# KiCad board Keyboard.kicad_pcb (continued)
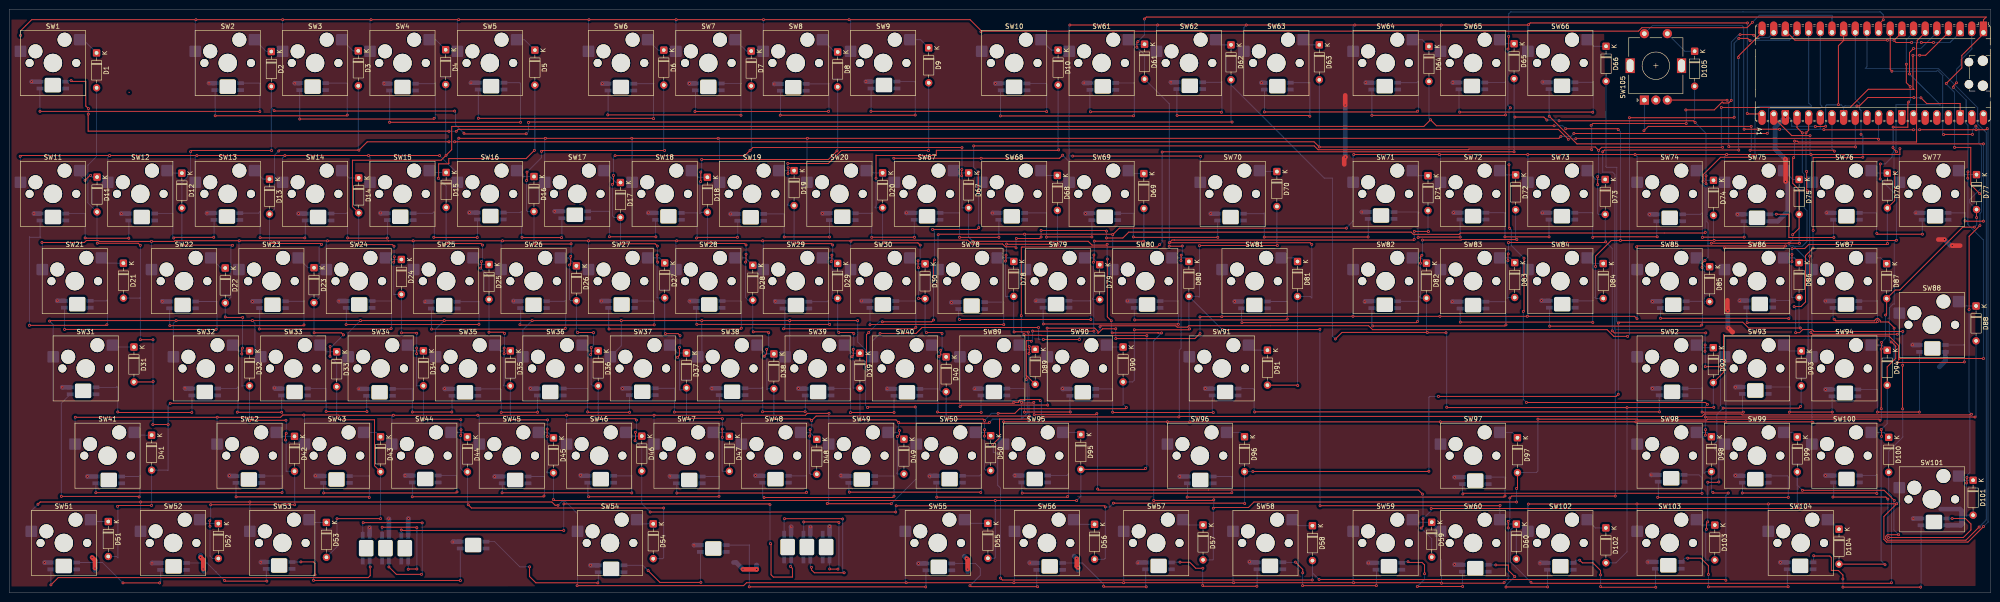
[diagram p0: board, top side]
## Routing (per net, layer and track width the routed paths; a pad name or vN(x,y) marks a point on that pad's centre or on a via; arc(x,y) is an arc through that point) (continued)
ROW7: length 323.3
  Top w0.2: A1.21 378.97,104.55 v1(378.88,104.64) ; v1(192.83,94.86) v1(211.87,94.86) 228.97,94.86 v1(229.65,95.54) ; v1(231.22,123.95) v1(250.35,123.95) v1(269.68,123.95) v1(293.33,123.95) v1(312.18,123.95) 331.12,123.95 v1(331.19,124.02) 331.57,124.4 v1(378.93,124.4) ; v1(231.83,95.34) 259.65,95.34 v1(259.71,95.28)
  Bottom w0.2: v1(231.22,123.95) 231.05,123.79 SW61.1 231.05,95.39 ; v1(231.83,95.34) 231.79,95.39 231.05,95.39 ; v1(331.19,124.02) 331.06,123.89 SW66.1 ; 231.05,95.39 SW69.1 231.05,94.14 v1(229.65,95.54) ; v1(192.83,94.86) 192.95,94.74 SW67.1 ; v1(259.71,95.28) 259.63,95.19 SW70.1 ; SW65.1 312.01,123.79 v1(312.18,123.95) ; 292.96,118.2 292.96,123.58 v1(293.33,123.95) ; v1(378.93,124.4) 378.88,124.35 v1(378.88,104.64) ; SW68.1 212,94.73 v1(211.87,94.86) ; SW63.1 269.15,123.42 v1(269.68,123.95) ; SW62.1 250.1,123.7 v1(250.35,123.95)
ROW8: length 301.8
  Top w0.2: v1(412.16,96.97) 412.16,95.68 v1(392.78,95.68) v1(374.38,95.68) v1(354.42,95.68) v1(331.04,95.68) v1(311.76,95.68) v1(293.1,95.68) ; v1(291.5,79.61) 241.99,79.61 v1(240.57,78.19) 240.46,78.29 v1(221.35,78.29) 202.64,78.29 v1(202.51,78.16) ; 384.65,103.75 388.59,99.81 v1(392.57,99.81)
  Bottom w0.2: SW76.1 392.98,95.48 v1(392.78,95.68) 392.57,95.88 v1(392.57,99.81) ; v1(354.42,95.68) 354.88,95.22 SW74.1 ; SW75.1 373.93,95.22 v1(374.38,95.68) ; SW73.1 331.06,95.65 v1(331.04,95.68) ; v1(202.51,78.16) 202.48,78.13 SW78.1 ; v1(311.76,95.68) 312.01,95.42 SW72.1 ; SW77.1 412.03,96.84 v1(412.16,96.97) ; v1(291.5,79.61) 291.5,79.71 292.96,81.17 292.96,95.54 v1(293.1,95.68) ; v1(221.35,78.29) 221.53,78.11 SW79.1 ; SW80.1 240.58,78.18 v1(240.57,78.19)
ROW9: length 369.2
  Top w0.2: v1(354.77,75.53) 354.96,75.72 v1(387.23,75.72) 386.79,75.29 v1(373.91,75.29) ; v1(226.26,57.78) 236.63,57.78 237.35,57.07 237.35,56.64 238.34,57.64 v1(241.23,57.64) ; v1(354.85,59.83) 354.32,60.37 v1(330.93,60.37) v1(311.89,60.37) v1(292.94,60.37) 264.43,60.37 v1(264.35,60.28) 259.63,60.28 v1(259.58,60.23) ; A1.24 389.73,101.57 v1(390.89,100.41) ; v1(411.6,56.45) 393.16,56.45 v1(392.75,56.86) ; v1(241.23,55.5) 258.48,55.5 v1(259.6,56.62) ; v1(207.29,40.66) 207.62,40.99 v1(226.4,40.99)
  Bottom w0.2: v1(354.85,59.83) 354.88,59.86 SW85.1 354.88,75.42 v1(354.77,75.53) ; 388.91,75.75 388.29,75.75 388.26,75.72 v1(387.23,75.72) ; 388.91,75.75 388.99,75.67 390.88,75.67 391.9,76.69 391.9,83.43 391.33,84 391.33,91.23 391.39,91.29 390.89,91.79 v1(390.89,100.41) ; 388.91,75.75 392.98,71.69 SW87.1 392.98,57.08 v1(392.75,56.86) ; v1(264.35,60.28) 264.39,60.32 SW81.1 ; v1(259.58,60.23) 259.58,56.64 v1(259.6,56.62) ; v1(207.29,40.66) 207.24,40.72 SW89.1 ; SW83.1 312.01,60.49 v1(311.89,60.37) ; SW84.1 331.06,60.5 v1(330.93,60.37) ; v1(411.6,56.45) 412.03,56.88 SW88.1 ; 292.96,70.58 292.96,60.39 v1(292.94,60.37) ; v1(373.91,75.29) 373.93,75.27 SW86.1 ; v1(226.26,57.78) 226.29,57.75 SW90.1 226.29,41.09 v1(226.4,40.99) ; v1(241.23,55.5) v1(241.23,57.64)
ROW10: length 316.4
  Top w0.2: v1(391.98,87.77) 391.83,87.92 v1(391.83,91.99) ; v1(392.17,68.05) 392.51,68.39 v1(392.51,73.5) ; v1(216.76,37.32) v1(252.49,37.32) v1(257.38,37.32) v1(311.97,37.32) v1(354.62,37.32) v1(374.17,37.32) 393.1,37.32 v1(393.2,37.22) ; 392.27,103.75 392.27,100.99 v1(391.69,100.41)
  Bottom w0.2: v1(257.38,37.32) 257.25,37.45 SW91.1 ; SW93.1 374.23,51.23 374.23,37.37 v1(374.17,37.32) 373.93,37.07 SW99.1 ; v1(391.69,100.41) 391.69,92.13 v1(391.83,91.99) ; SW100.1 392.98,37 v1(393.2,37.22) 392.98,37.44 SW94.1 392.15,52.35 392.15,68.03 v1(392.17,68.05) ; v1(252.49,37.32) 252.48,37.31 SW96.1 ; v1(311.97,37.32) 312.01,37.28 SW97.1 ; SW92.1 354.88,37.58 354.62,37.32 v1(354.62,37.32) 354.88,37.06 SW98.1 ; v1(391.98,87.77) 392.51,87.24 v1(392.51,73.5) ; SW95.1 v1(216.76,37.32)
ROW11: length 323.1
  Top w0.2: v1(415.13,101.08) 415.12,101.07 395.64,101.07 v1(395.57,101.14) ; v1(385.94,101.18) 385.91,101.21 v1(378.2,101.21) ; v1(416.46,101.09) v1(428.78,101.09) 430.96,101.09 v1(431.2,101.33) ; v1(331.16,19.37) 331.18,19.39 v1(354.84,19.39) v1(383.5,19.39) 383.54,19.44 v1(411.44,19.44) 408.67,16.66 408.67,11.67 409.26,11.08 426.99,11.08 v1(430.37,14.47)
  Bottom w0.2: A1.26 394.81,101.31 394.94,101.18 ; SW101.1 412.03,20.02 v1(411.44,19.44) ; v1(431.2,101.33) 431.37,101.16 431.37,15.46 v1(430.37,14.47) ; SW104.1 383.45,19.35 v1(383.5,19.39) ; v1(395.57,101.14) 395.53,101.18 394.94,101.18 ; SW103.1 354.88,19.36 v1(354.84,19.39) ; v1(378.2,101.21) 378.11,101.3 378.11,123.49 377.75,123.85 358.25,123.85 SW105.S2 ; v1(415.13,101.08) 416.45,101.08 v1(416.46,101.09) ; v1(385.94,101.18) 394.94,101.18 ; v1(331.16,19.37) 331.06,19.28 SW102.1
S1: length 7.5
  Bottom w0.2: SW105.S1 365.3,118.22 D105.1
Net-(A1-GPIO21): length 62.6
  Top w0.2: v1(356.36,100.88) 357.3,101.82 v1(379.75,101.82) ; v1(379.5,96.62) 397.68,96.62 v1(397.88,96.42)
  Bottom w0.2: v1(397.88,96.42) 397.35,96.95 A1.27 ; v1(379.75,101.82) 379.75,96.87 v1(379.5,96.62) ; SW105.A 356.46,100.98 v1(356.36,100.88)
Net-(A1-GPIO22): length 58.2
  Top w0.2: SW105.B 374.46,107.56 v1(374.49,107.53) ; v1(374.85,97.4) 374.91,97.34 v1(402.5,97.34)
  Bottom w0.2: A1.29 402.43,97.41 v1(402.5,97.34) ; v1(374.85,97.4) 374.85,107.17 v1(374.49,107.53)
Net-(D1-K): length 4.9
  Bottom w0.2: SW1.2 16.17,120.74 D1.1
Net-(D2-K): length 4.7
  Bottom w0.2: D2.1 56.06,118.16 SW2.2
Net-(D3-K): length 4.6
  Bottom w0.2: SW3.2 74.96,118.31 D3.1
Net-(D4-K): length 4.5
  Bottom w0.2: D4.1 92.97,120.74 SW4.2
Net-(D5-K): length 4.9
  Bottom w0.2: SW5.2 112.32,120.74 D5.1
Net-(D6-K): length 4.4
  Bottom w0.2: SW6.2 141.49,118.46 D6.1
Net-(D7-K): length 4.5
  Bottom w0.2: D7.1 160.73,118.27 SW7.2
Net-(D8-K): length 4.4
  Bottom w0.2: D8.1 179.98,118.07 SW8.2
Net-(D9-K): length 4.8
  Bottom w0.2: D9.1 198.67,120.74 SW9.2
Net-(D10-K): length 4.7
  Bottom w0.2: D10.1 227.2,118.47 SW10.2
Net-(D11-K): length 5.8
  Top w0.2: v1(17.75,91.12) 17.62,91.12 v1(16.55,90.05)
  Bottom w0.2: SW11.2 15.38,91.22 v1(16.55,90.05) ; v1(17.75,91.12) 18.11,90.76 D11.1
Net-(D12-K): length 3.4
  Bottom w0.2: SW12.2 34.98,91.62 D12.1
Net-(D13-K): length 4
  Bottom w0.2: D13.1 55.34,90.31 SW13.2
Net-(D14-K): length 4.3
  Bottom w0.2: D14.1 74.13,90.57 SW14.2
Net-(D15-K): length 3.8
  Bottom w0.2: SW15.2 91.99,91.76 D15.1
Net-(D16-K): length 4.3
  Bottom w0.2: SW16.2 111.93,90.87 D16.1
Net-(D17-K): length 4.6
  Bottom w0.2: D17.1 132.28,89.57 SW17.2
Net-(D18-K): length 4.1
  Bottom w0.2: D18.1 150.19,90.71 SW18.2
Net-(D19-K): length 3.3
  Bottom w0.2: D19.1 167.78,92.17 SW19.2
Net-(D20-K): length 3.8
  Bottom w0.2: SW20.2 187.33,91.67 D20.1
Net-(D21-K): length 5.2
  Bottom w0.2: SW21.2 21.3,71.96 D21.1
Net-(D22-K): length 4.1
  Bottom w0.2: SW22.2 46.16,70.91 D22.1
Net-(D23-K): length 4.3
  Bottom w0.2: D23.1 65.15,70.97 SW23.2
Net-(D24-K): length 3.6
  Bottom w0.2: SW24.2 82.4,72.77 D24.1
Net-(D25-K): length 4.1
  Bottom w0.2: SW25.2 102.55,71.67 D25.1
Net-(D26-K): length 4.2
  Bottom w0.2: SW26.2 121.9,73.12 D26.1
Net-(D27-K): length 4.2
  Bottom w0.2: D27.1 141.79,73.12 SW27.2
Net-(D28-K): length 4.5
  Bottom w0.2: D28.1 160.49,73.12 SW28.2
Net-(D29-K): length 3.8
  Bottom w0.2: SW29.2 179.39,73.12 D29.1
Net-(D30-K): length 3.8
  Bottom w0.2: SW30.2 197.66,71.81 D30.1
Net-(D31-K): length 4.8
  Bottom w0.2: SW31.2 22.93,53.66 D31.1
Net-(D32-K): length 4.2
  Bottom w0.2: D32.1 49.97,52.81 SW32.2
Net-(D33-K): length 4.2
  Bottom w0.2: D33.1 69.22,52.61 SW33.2
Net-(D34-K): length 4
  Bottom w0.2: D34.1 88.06,52.82 SW34.2
Net-(D35-K): length 3.9
  Bottom w0.2: D35.1 107.14,52.8 SW35.2
Net-(D36-K): length 4
  Bottom w0.2: SW36.2 126.19,52.8 D36.1
Net-(D37-K): length 4.4
  Bottom w0.2: D37.1 145.67,52.36 SW37.2
Net-(D38-K): length 4.5
  Bottom w0.2: D38.1 164.92,52.16 SW38.2
Net-(D39-K): length 4.1
  Bottom w0.2: SW39.2 183.82,52.31 D39.1
Net-(D40-K): length 4.2
  Bottom w0.2: D40.1 203.67,51.51 SW40.2
Net-(D41-K): length 4
  Bottom w0.2: D41.1 27.89,34.41 SW41.2
Net-(D42-K): length 4.3
  Bottom w0.2: D42.1 59.1,34.16 SW42.2
Net-(D43-K): length 4.1
  Bottom w0.2: SW43.2 79.99,35.02 D43.1
Net-(D44-K): length 4
  Bottom w0.2: SW44.2 98.9,35.02 D44.1
Net-(D45-K): length 3.8
  Bottom w0.2: SW45.2 117.45,35.02 D45.1
Net-(D46-K): length 3.8
  Bottom w0.2: SW46.2 135.25,34.21 D46.1
Net-(D47-K): length 3.9
  Bottom w0.2: D47.1 156.15,35.02 SW47.2
Net-(D48-K): length 4.1
  Bottom w0.2: D48.1 174.54,35.02 SW48.2
Net-(D49-K): length 4.1
  Bottom w0.2: SW49.2 193.6,35.02 D49.1
Net-(D50-K): length 3.6
  Bottom w0.2: SW50.2 213.24,35.02 D50.1
Net-(D51-K): length 4
  Bottom w0.2: D51.1 18.17,15.56 SW51.2
Net-(D52-K): length 4.4
  Bottom w0.2: D52.1 42.42,15.12 SW52.2
Net-(D53-K): length 4
  Bottom w0.2: D53.1 65.98,15.37 SW53.2
Net-(D54-K): length 3.9
  Bottom w0.2: D54.1 137.72,15.07 SW54.2
Net-(D55-K): length 5.4
  Bottom w0.2: D55.1 209.06,15.17 SW55.2
Net-(D56-K): length 4.9
  Bottom w0.2: D56.1 233.09,14.95 SW56.2
Net-(D57-K): length 4.8
  Bottom w0.2: SW57.2 257.04,14.81 D57.1
Net-(D58-K): length 4.9
  Bottom w0.2: SW58.2 281.01,14.66 D58.1
Net-(D59-K): length 4.4
  Bottom w0.2: D59.1 306.45,15.41 SW59.2
Net-(D61-K): length 3.9
  Bottom w0.2: SW61.2 244.96,119.76 D61.1
Net-(D62-K): length 3.8
  Bottom w0.2: D62.1 264.15,119.62 SW62.2
Net-(D63-K): length 4
  Bottom w0.2: D63.1 283.2,119.62 SW63.2
Net-(D64-K): length 4.2
  Bottom w0.2: SW64.2 308.03,120.74 D64.1
Net-(D65-K): length 3.5
  Bottom w0.2: SW65.2 325.82,119.86 D65.1
Net-(D66-K): length 4.7
  Bottom w0.2: D66.1 345.42,119.31 SW66.2
Net-(D67-K): length 3.5
  Bottom w0.2: SW67.2 206.39,91.66 D67.1
Net-(D68-K): length 4
  Bottom w0.2: SW68.2 225.99,91.11 D68.1
Net-(D69-K): length 3.6
  Bottom w0.2: D69.1 244.63,91.52 SW69.2
Net-(D70-K): length 3.9
  Bottom w0.2: SW70.2 272.76,91.96 D70.1
Net-(D71-K): length 3.9
  Bottom w0.2: SW71.2 307,91.06 D71.1
Net-(D72-K): length 3.8
  Bottom w0.2: SW72.2 325.88,91.23 D72.1
Net-(D73-K): length 4.7
  Bottom w0.2: SW73.2 345.92,90.24 D73.1
Net-(D74-K): length 4.6
  Bottom w0.2: SW74.2 369.93,90.04 D74.1
Net-(D75-K): length 4.1
  Bottom w0.2: D75.1 388.78,90.24 SW75.2
Net-(D76-K): length 3.7
  Bottom w0.2: SW76.2 406.44,91.63 D76.1
Net-(D77-K): length 4.3
  Bottom w0.2: SW77.2 425.83,91.29 D77.1
Net-(D78-K): length 3.9
  Bottom w0.2: SW78.2 218.21,73.12 D78.1
Net-(D79-K): length 3.9
  Bottom w0.2: SW79.2 236.25,73.12 D79.1
Net-(D80-K): length 4
  Bottom w0.2: SW80.2 256.39,73.12 D80.1
Net-(D81-K): length 3.9
  Bottom w0.2: D81.1 280.06,73.12 SW81.2
Net-(D82-K): length 3.6
  Bottom w0.2: SW82.2 307.79,73.12 D82.1
Net-(D83-K): length 3.7
  Bottom w0.2: D83.1 327.16,73.12 SW83.2
Net-(D84-K): length 4
  Bottom w0.2: SW84.2 345.23,71.88 D84.1
Net-(D85-K): length 3.7
  Bottom w0.2: D85.1 369.73,71.19 SW85.2
Net-(D86-K): length 3.8
  Bottom w0.2: SW86.2 389.15,73.12 D86.1
Net-(D87-K): length 3.9
  Bottom w0.2: D87.1 408,73.12 SW87.2
Net-(D88-K): length 4.2
  Bottom w0.2: SW88.2 425.93,62.62 D88.1
Net-(D89-K): length 3.9
  Bottom w0.2: D89.1 221.08,53.15 SW89.2
Net-(D90-K): length 3.8
  Bottom w0.2: SW90.2 239.62,53.66 D90.1
Net-(D91-K): length 4.6
  Bottom w0.2: D91.1 271.28,52.96 SW91.2
Net-(D92-K): length 3.9
  Bottom w0.2: SW92.2 368.35,53.52 D92.1
Net-(D93-K): length 4.3
  Bottom w0.2: D93.1 388.12,52.8 SW93.2
Net-(D94-K): length 3.9
  Bottom w0.2: SW94.2 408.27,54.07 D94.1
Net-(D95-K): length 4.1
  Bottom w0.2: SW95.2 233.15,35.02 D95.1
Net-(D96-K): length 4.3
  Bottom w0.2: SW96.2 268.35,35.02 D96.1
Net-(D97-K): length 4.3
  Bottom w0.2: D97.1 327.63,35.02 SW97.2
Net-(D98-K): length 3.7
  Bottom w0.2: D98.1 370.12,35.02 SW98.2
Net-(D99-K): length 3.3
  Bottom w0.2: D99.1 388.79,35.02 SW99.2
Net-(D100-K): length 4.3
  Bottom w0.2: D100.1 408.65,35.02 SW100.2
Net-(D101-K): length 3.5
  Bottom w0.2: SW101.2 425.87,24.58 D101.1
Net-(D102-K): length 4.8
  Bottom w0.2: SW102.2 345.79,14.17 D102.1
Net-(D103-K): length 4.5
  Bottom w0.2: D103.1 368.98,14.79 SW103.2
Net-(D104-K): length 3.4
  Bottom w0.2: D104.1 396.81,15.97 SW104.2
Net-(L1-DOUT): length 63.4
  Top w0.2: v1(6.72,105.1) 54.59,105.1 v1(54.65,105.04)
  Bottom w0.2: L1.2 6.71,105.11 v1(6.72,105.1) ; L2.4 54.66,111.25 54.65,111.24 v1(54.65,105.04)
Net-(L2-DOUT): length 46.1
  Top w0.2: v1(44.91,104.14) 73.53,104.14 v1(73.69,104.3)
  Bottom w0.2: v1(73.69,104.3) 73.69,111.17 73.61,111.25 L3.4 ; v1(44.91,104.14) 44.91,109.68 L2.2
Net-(L3-DOUT): length 47.8
  Top w0.2: v1(92.63,103.59) 92.47,103.43 v1(63.33,103.43)
  Bottom w0.2: L3.2 63.34,103.44 v1(63.33,103.43) ; L4.4 92.81,111.15 92.89,111.23 92.89,103.84 v1(92.63,103.59)
Net-(L4-DOUT): length 47.7
  Top w0.2: v1(82.92,102.72) v1(111.48,102.72)
  Bottom w0.2: L4.2 82.94,102.73 v1(82.92,102.72) ; v1(111.48,102.72) 111.48,111.2 111.33,111.35 L5.4
Net-(L5-DOUT): length 56.5
  Top w0.2: v1(102.28,103.59) 140.39,103.59 v1(140.46,103.52)
  Bottom w0.2: L5.2 102.25,103.62 v1(102.28,103.59) ; L6.4 140.53,111.15 140.46,111.07 v1(140.46,103.52)
Net-(L6-DOUT): length 45.8
  Top w0.2: v1(159.53,104.23) 159.43,104.33 v1(130.49,104.33)
  Bottom w0.2: v1(130.49,104.33) 130.55,104.39 L6.2 ; v1(159.53,104.23) 159.53,111.17 159.56,111.2 L7.4
Net-(L7-DOUT): length 45
  Top w0.2: v1(178.6,105.1) 178.57,105.07 v1(149.49,105.07)
  Bottom w0.2: L8.4 178.56,111.1 178.7,111.23 178.7,105.2 v1(178.6,105.1) ; v1(149.49,105.07) 149.61,105.19 L7.2
Net-(L8-DOUT): length 46.1
  Top w0.2: v1(168.08,104.27) 197.48,104.27 v1(197.51,104.3)
  Bottom w0.2: L8.2 168.12,104.31 v1(168.08,104.27) ; L9.4 197.49,111.6 197.51,111.62 v1(197.51,104.3)
Net-(L10-DIN): length 53.7
  Top w0.2: v1(187.86,105.1) 226.1,105.1 v1(226.16,105.04)
  Bottom w0.2: v1(187.86,105.1) 187.9,105.14 L9.2 ; L10.4 226,111.2 226.16,111.04 v1(226.16,105.04)
Net-(L10-DOUT): length 46.3
  Top w0.2: v1(245.11,104.14) 245.07,104.1 v1(216.1,104.1)
  Bottom w0.2: v1(216.1,104.1) 216.1,109.55 L10.2 ; v1(245.11,104.14) 245.27,104.3 245.27,111.49 245.07,111.3 L11.4
Net-(L11-DOUT): length 44.4
  Top w0.2: v1(264.27,104.91) 264.18,105.01 v1(235.72,105.01)
  Bottom w0.2: v1(264.27,104.91) 264.37,105.01 264.37,111.56 264.26,111.45 L12.4 ; v1(235.72,105.01) 235.6,105.12 L11.2
Net-(L12-DOUT): length 46.5
  Top w0.2: v1(254.59,104.2) 283.38,104.2 v1(283.54,104.04)
  Bottom w0.2: L12.2 254.55,104.24 v1(254.59,104.2) ; v1(283.54,104.04) 283.54,111.4 283.44,111.49 283.3,111.35 L13.4
Net-(L13-DOUT): length 49.6
  Top w0.2: v1(273.63,104.97) 306.87,104.97 v1(307.03,105.14)
  Bottom w0.2: L13.2 273.65,104.99 v1(273.63,104.97) ; v1(307.03,105.14) 307.22,105.33 307.22,111.66 307.1,111.66 306.79,111.35 L14.4
Net-(L14-DOUT): length 46.6
  Top w0.2: v1(326.2,104.33) 326.1,104.23 v1(297.06,104.23)
  Bottom w0.2: L14.2 297.05,104.24 v1(297.06,104.23) ; L15.4 326.01,111.4 326.13,111.53 326.2,111.46 v1(326.2,104.33)
Net-(L15-DOUT): length 44.8
  Top w0.2: v1(345.2,104.91) 345.17,104.94 v1(316.19,104.94)
  Bottom w0.2: v1(316.19,104.94) 316.05,105.09 L15.2 ; L16.4 345.16,111.45 345.3,111.59 345.3,105.01 v1(345.2,104.91)
Net-(L16-DOUT): length 129.6
  Top w0.2: v1(430.37,81.13) 426.43,81.13 v1(426.36,81.19) ; v1(335.72,104.04) 341.75,98 v1(430.37,98)
  Bottom w0.2: v1(430.37,98) v1(430.37,81.13) ; L16.2 335.7,104.06 v1(335.72,104.04) ; L17.4 426.24,82.94 426.36,83.06 v1(426.36,81.19)
Net-(L17-DOUT): length 21.5
  Top w0.2: v1(407.13,78.45) 407.29,78.29 v1(417.07,78.29)
  Bottom w0.2: L18.4 407.04,82.94 407.06,82.97 407.06,78.52 v1(407.13,78.45) ; L17.2 417.04,78.32 v1(417.07,78.29)
Net-(L18-DOUT): length 22.9
  Top w0.2: v1(385.21,82.65) 385.22,82.64 387.86,82.64 387.96,82.54 387.96,77.58 v1(397.77,77.58)
  Bottom w0.2: L19.4 383.84,82.65 v1(385.21,82.65) ; v1(397.77,77.58) 397.71,77.64 L18.2
Net-(L19-DOUT): length 22.3
  Top w0.2: v1(369.12,77.59) 369.18,77.65 v1(378.22,77.65)
  Bottom w0.2: L20.4 368.71,82.62 368.99,82.9 369.12,82.77 v1(369.12,77.59) ; v1(378.22,77.65) 378.21,77.66 L19.2
Net-(L20-DOUT): length 26.8
  Top w0.2: v1(345.21,77.59) 345.34,77.72 v1(359.25,77.72)
  Bottom w0.2: L21.4 345.15,82.97 345.18,82.94 345.18,77.62 v1(345.21,77.59) ; L20.2 359.16,77.81 v1(359.25,77.72)
Net-(L21-DOUT): length 22.9
  Top w0.2: v1(335.69,77.7) v1(326.06,77.7)
  Bottom w0.2: L22.4 326.09,82.98 326.13,82.94 326.06,82.87 v1(326.06,77.7) ; v1(335.69,77.7) 335.67,77.72 L21.2
Net-(L22-DOUT): length 24
  Top w0.2: v1(316.31,77.66) 307.23,77.66 v1(307.13,77.56)
  Bottom w0.2: L22.2 316.3,77.67 v1(316.31,77.66) ; L23.4 307.16,83.13 307.3,82.98 307.13,82.81 v1(307.13,77.56)
Net-(L23-DOUT): length 36.5
  Top w0.2: v1(296.24,77.67) 273.61,77.67 v1(273.58,77.65)
  Bottom w0.2: v1(296.24,77.67) 296.26,77.69 L23.2 ; L24.4 273.46,82.77 273.58,82.9 v1(273.58,77.65)
Net-(L24-DOUT): length 30.9
  Top w0.2: v1(245.06,77.69) 245.15,77.61 v1(263.47,77.61)
  Bottom w0.2: L24.2 263.45,77.63 v1(263.47,77.61) ; L25.4 245.21,82.86 245.06,82.71 v1(245.06,77.69)
Net-(L25-DOUT): length 23.7
  Top w0.2: v1(236.02,77.69) 226.15,77.69 v1(226.11,77.65)
  Bottom w0.2: v1(236.02,77.69) 236.03,77.7 L25.2 ; v1(226.11,77.65) 226.13,77.67 226.13,82.92 226.12,82.93 L26.4
Net-(L26-DOUT): length 22
  Top w0.2: v1(215.76,77.61) v1(207.17,77.61)
  Bottom w0.2: L26.2 215.74,77.62 v1(215.76,77.61) ; v1(207.17,77.61) 207.17,82.88 207.12,82.93 L27.4
Net-(L27-DOUT): length 22.2
  Top w0.2: v1(197.34,77.61) 197.32,77.63 188.05,77.63 v1(188.03,77.61)
  Bottom w0.2: v1(188.03,77.61) 188.03,82.75 188.14,82.86 188.13,82.86 L28.4 ; v1(197.34,77.61) 197.29,77.66 L27.2
Net-(L28-DOUT): length 23.1
  Top w0.2: v1(178.82,77.69) v1(168.95,77.69)
  Bottom w0.2: L29.4 168.87,82.72 168.97,82.62 168.95,82.6 v1(168.95,77.69) ; v1(178.82,77.69) 178.82,77.69 L28.2
Net-(L29-DOUT): length 21.7
  Top w0.2: v1(158.75,77.61) 149.97,77.61 v1(149.82,77.46)
  Bottom w0.2: L29.2 158.83,77.69 v1(158.75,77.61) ; v1(149.82,77.46) 149.97,77.61 149.97,82.94 149.89,82.94 149.88,82.93 L30.4
Net-(L30-DOUT): length 24.2
  Top w0.2: v1(130.85,77.74) 130.87,77.72 v1(140.98,77.72)
  Bottom w0.2: v1(130.85,77.74) 130.89,77.78 130.89,83.2 130.81,83.28 L31.4 ; v1(140.98,77.72) 140.91,77.79 L30.2
Net-(L31-DOUT): length 22.7
  Top w0.2: v1(120.41,77.54) 111.87,77.54 v1(111.79,77.63)
  Bottom w0.2: L31.2 120.49,77.62 v1(120.41,77.54) ; v1(111.79,77.63) 111.72,77.69 111.72,83.22 111.62,83.22 111.39,83 L32.4
Net-(L32-DOUT): length 23.8
  Top w0.2: v1(92.56,77.61) 92.58,77.59 v1(102.04,77.59)
  Bottom w0.2: v1(92.56,77.61) 92.68,77.74 92.68,83.14 92.58,83.14 92.3,82.86 L33.4 ; v1(102.04,77.59) 102.1,77.64 L32.2
Net-(L33-DOUT): length 21.9
  Top w0.2: v1(73.77,77.48) 73.82,77.44 v1(82.42,77.44)
  Bottom w0.2: L34.4 73.45,82.79 73.71,83.05 73.77,83.05 v1(73.77,77.48) ; L33.2 82.45,77.46 v1(82.42,77.44)
Net-(L34-DOUT): length 24
  Top w0.2: v1(64.46,77.48) 54.76,77.48 v1(54.69,77.54)
  Bottom w0.2: L35.4 54.36,82.89 54.74,83.27 ; 54.74,83.27 54.69,83.22 v1(54.69,77.54) ; 54.74,83.27 54.76,83.27 ; L34.2 64.54,77.56 v1(64.46,77.48)
Net-(L35-DOUT): length 22
  Top w0.2: v1(35.87,77.46) 36.02,77.61 v1(44.6,77.61)
  Bottom w0.2: v1(44.6,77.61) 44.67,77.67 L35.2 ; v1(35.87,77.46) 35.67,77.65 35.67,82.81 35.65,82.79 L36.4
Net-(L36-DOUT): length 23
  Top w0.2: v1(16.55,77.48) 16.61,77.41 v1(26.08,77.41)
  Bottom w0.2: L36.2 26.08,77.41 v1(26.08,77.41) ; v1(16.55,77.48) 16.57,77.5 16.57,82.79 16.57,82.79 L37.4
Net-(L37-DOUT): length 51.7
  Top w0.2: v1(21.31,58.54) 21.16,58.39 v1(4.41,58.39)
  Bottom w0.2: L37.2 6.74,77.76 6.88,77.61 4.51,77.61 4.41,77.71 v1(4.41,58.39) ; L38.4 21.19,63.75 21.31,63.86 21.45,63.86 21.45,58.69 v1(21.31,58.54)
Net-(L38-DOUT): length 48.7
  Top w0.2: v1(45.12,57.53) 45.09,57.51 v1(12.07,57.51)
  Bottom w0.2: v1(12.07,57.51) 12.05,57.53 L38.2 ; v1(45.12,57.53) 45.31,57.72 45.31,63.57 45.2,63.57 45.18,63.6 L39.4
Net-(L39-DOUT): length 42.4
  Top w0.2: v1(64.26,58.47) 64.11,58.33 v1(35.03,58.33)
  Bottom w0.2: L40.4 64.19,63.65 64.24,63.7 64.26,63.68 v1(64.26,58.47) ; L39.2 35,58.35 v1(35.03,58.33)
Net-(L40-DOUT): length 43.7
  Top w0.2: v1(54.52,57.59) 83.17,57.59 v1(83.26,57.68)
  Bottom w0.2: v1(83.26,57.68) 83.37,57.79 83.37,63.66 83.33,63.7 L41.4 ; v1(54.52,57.59) 54.6,57.67 L40.2
Net-(L41-DOUT): length 42.5
  Top w0.2: v1(73.45,58.56) 102.36,58.56 v1(102.41,58.6)
  Bottom w0.2: L41.2 73.5,58.61 v1(73.45,58.56) ; v1(102.41,58.6) 102.43,58.63 102.43,63.64 102.32,63.64 102.23,63.55 L42.4
Net-(L42-DOUT): length 44.1
  Top w0.2: v1(92.08,57.57) 121.08,57.57 v1(121.23,57.72)
  Bottom w0.2: v1(121.23,57.72) 121.34,57.83 121.34,63.79 121.23,63.79 121.09,63.65 L43.4 ; L42.2 92.05,57.6 v1(92.08,57.57)
Net-(L43-DOUT): length 42.5
  Top w0.2: v1(140.61,58.5) 140.57,58.45 111.42,58.45 v1(111.33,58.54)
  Bottom w0.2: v1(111.33,58.54) 111.5,58.71 L43.2 ; L44.4 140.41,63.7 140.44,63.72 140.61,63.55 v1(140.61,58.5)
Net-(L44-DOUT): length 43.6
  Top w0.2: v1(159.61,57.77) 159.44,57.59 v1(130.76,57.59)
  Bottom w0.2: L45.4 159.42,63.7 159.5,63.62 159.61,63.62 v1(159.61,57.77) ; v1(130.76,57.59) 130.7,57.65 L44.2
Net-(L45-DOUT): length 42.4
  Top w0.2: v1(149.91,58.6) 178.82,58.6 v1(178.86,58.56)
  Bottom w0.2: L45.2 149.8,58.71 v1(149.91,58.6) ; v1(178.86,58.56) 178.6,58.82 178.6,63.81 178.56,63.81 178.3,63.55 L46.4
Net-(L46-DOUT): length 43.9
  Top w0.2: v1(197.64,57.96) 197.32,57.64 v1(168.79,57.64)
  Bottom w0.2: L46.2 169.1,61.65 169.1,57.94 v1(168.79,57.64) ; L47.4 197.45,63.7 197.53,63.79 197.64,63.79 v1(197.64,57.96)
Net-(L47-DOUT): length 42
  Top w0.2: v1(187.64,58.52) 187.68,58.56 216.79,58.56 v1(216.81,58.54)
  Bottom w0.2: v1(216.81,58.54) 216.81,63.42 216.77,63.47 216.75,63.45 L48.4 ; L47.2 187.65,58.53 v1(187.64,58.52)
Net-(L48-DOUT): length 39.9
  Top w0.2: v1(207.17,59.66) v1(235.78,59.66)
  Bottom w0.2: v1(235.78,59.66) 235.78,63.79 235.7,63.79 235.66,63.75 L49.4 ; L48.2 207,59.83 v1(207.17,59.66)
Net-(L49-DOUT): length 42.1
  Top w0.2: v1(225.44,58.69) 254.78,58.69 v1(254.87,58.6)
  Bottom w0.2: v1(254.87,58.6) 254.87,63.67 254.86,63.68 254.78,63.68 254.76,63.7 L50.4 ; L49.2 225.4,58.73 v1(225.44,58.69)
Net-(L50-DOUT): length 44.3
  Top w0.2: v1(245.36,59.57) 278.4,59.57 v1(278.59,59.77)
  Bottom w0.2: v1(245.36,59.57) 245.25,59.68 L50.2 ; L51.4 278.65,63.6 278.66,63.59 278.59,63.53 v1(278.59,59.77)
Net-(L51-DOUT): length 50.6
  Top w0.2: v1(306.97,59.21) 306.74,58.97 v1(268.72,58.97)
  Bottom w0.2: v1(268.72,58.97) 268.65,59.04 L51.2 ; L52.4 307.07,63.65 307.14,63.72 307.14,59.38 v1(306.97,59.21)
Net-(L52-DOUT): length 42.5
  Top w0.2: v1(297.25,58.26) 326.05,58.26 v1(326.29,58.5)
  Bottom w0.2: v1(297.25,58.26) 297.05,58.46 L52.2 ; L53.4 326.25,63.55 326.27,63.53 326.27,58.52 v1(326.29,58.5)
Net-(L53-DOUT): length 40.5
  Top w0.2: v1(345.22,59.01) 345.13,59.1 v1(316.33,59.1)
  Bottom w0.2: v1(345.22,59.01) 345.22,63.77 345.2,63.75 L54.4 ; L53.2 316.3,59.13 v1(316.33,59.1)
Net-(L54-DOUT): length 46
  Top w0.2: v1(335.82,58.22) 368.71,58.22 v1(368.97,58.47)
  Bottom w0.2: v1(335.82,58.22) 335.75,58.29 L54.2 ; L55.4 368.94,63.65 369.14,63.44 369.14,58.65 v1(368.97,58.47)
Net-(L55-DOUT): length 38.1
  Top w0.2: v1(387.94,59.85) 387.86,59.94 v1(359.98,59.94)
  Bottom w0.2: v1(387.94,59.85) 388.18,60.09 388.18,63.85 388.07,63.85 388.02,63.8 L56.4 ; L55.2 359.95,59.97 v1(359.98,59.94)
Net-(L56-DOUT): length 40.4
  Top w0.2: v1(378.87,58.97) 407,58.97 v1(407.26,59.23)
  Bottom w0.2: L57.4 407.26,63.7 407.26,63.7 v1(407.26,59.23) ; v1(378.87,58.97) 378.8,59.04 L56.2
Net-(L57-DOUT): length 47.7
  Top w0.2: v1(410.9,57.77) 410.88,57.79 410.88,57.89 409.64,59.13 407.86,59.13 407.86,59.48 407.51,59.83 407.01,59.83 406.66,59.48 406.66,59.37 398.17,59.37 v1(397.82,59.72) ; v1(411.59,50.28) 426.09,50.28 v1(426.22,50.41)
  Bottom w0.2: v1(410.9,57.77) 410.9,50.97 v1(411.59,50.28) ; v1(426.22,50.41) 426.22,54.26 426.06,54.1 L58.4 ; v1(397.82,59.72) 397.6,59.94 L57.2
Net-(L58-DOUT): length 31.5
  Top w0.2: v1(416.41,39.46) v1(407.24,39.46)
  Bottom w0.2: v1(407.24,39.46) 407.24,44.32 407.16,44.4 L59.4 ; L58.2 416.45,39.5 v1(416.41,39.46)
Net-(L59-DOUT): length 23.2
  Top w0.2: v1(397.41,39.46) 388.07,39.46 v1(388.05,39.44)
  Bottom w0.2: v1(397.41,39.46) 397.37,39.5 L59.2 ; v1(388.05,39.44) 388.22,39.61 388.22,44.94 388.12,44.94 388.1,44.93 L60.4
Net-(L60-DOUT): length 22.1
  Top w0.2: v1(378.03,39.44) 369.06,39.44 v1(369.03,39.46)
  Bottom w0.2: L60.2 377.85,39.61 v1(378.03,39.44) ; v1(369.03,39.46) 369.01,39.48 369.01,44.75 368.88,44.62 L61.4
Net-(L61-DOUT): length 100.5
  Top w0.2: v1(359.76,39.5) 271.52,39.5 v1(271.5,39.48)
  Bottom w0.2: L62.4 271.15,44.58 271.28,44.45 271.39,44.45 271.39,39.59 v1(271.5,39.48) ; L61.2 359.69,39.57 v1(359.76,39.5)
Net-(L62-DOUT): length 34.5
  Top w0.2: v1(262.48,39.36) 240.62,39.36 v1(240.55,39.44)
  Bottom w0.2: L63.4 240.46,44.51 240.46,44.51 240.55,44.43 v1(240.55,39.44) ; L62.2 262.26,39.58 v1(262.48,39.36)
Net-(L63-DOUT): length 22.6
  Top w0.2: v1(231.32,39.48) 221.36,39.48 v1(221.31,39.44)
  Bottom w0.2: L64.4 221.18,44.58 221.4,44.36 221.31,44.28 v1(221.31,39.44) ; v1(231.32,39.48) 231.23,39.56 L63.2
Net-(L64-DOUT): length 22.5
  Top w0.2: v1(202.36,39.48) 202.47,39.37 v1(211.89,39.37)
  Bottom w0.2: v1(211.89,39.37) 211.86,39.4 L64.2 ; v1(202.36,39.48) 202.45,39.56 202.45,44.64 202.31,44.51 L65.4
Net-(L65-DOUT): length 22.7
  Top w0.2: v1(192.89,39.37) 183.41,39.37 v1(183.39,39.35)
  Bottom w0.2: L65.2 192.9,39.38 v1(192.89,39.37) ; v1(183.39,39.35) 183.43,39.39 183.43,44.51 183.32,44.51 183.25,44.58 L66.4
Net-(L66-DOUT): length 22.2
  Top w0.2: v1(173.51,39.54) 164.24,39.54 v1(164.22,39.52)
  Bottom w0.2: v1(173.51,39.54) 173.54,39.57 L66.2 ; L67.4 164.05,44.65 164.28,44.88 164.28,39.58 v1(164.22,39.52)
Net-(L67-DOUT): length 23
  Top w0.2: v1(154.82,39.48) 145.03,39.48 v1(145.01,39.46)
  Bottom w0.2: L68.4 144.95,44.65 145.01,44.7 v1(145.01,39.46) ; v1(154.82,39.48) 154.79,39.5 L67.2
Net-(L68-DOUT): length 23.4
  Top w0.2: v1(126.1,39.5) 126.18,39.41 v1(135.24,39.41)
  Bottom w0.2: v1(135.24,39.41) 135.21,39.44 L68.2 ; L69.4 125.97,44.58 126.03,44.64 126.1,44.58 v1(126.1,39.5)
Net-(L69-DOUT): length 21.8
  Top w0.2: v1(107.25,39.37) 107.32,39.44 v1(115.19,39.44)
  Bottom w0.2: L69.2 115.15,39.47 v1(115.19,39.44) ; v1(107.25,39.37) 107.25,44.36 107.08,44.53 107.06,44.51 L70.4
Net-(L70-DOUT): length 21.9
  Top w0.2: v1(96.5,39.48) v1(87.89,39.48)
  Bottom w0.2: v1(87.89,39.48) 87.89,44.23 88.17,44.51 L71.4 ; v1(96.5,39.48) 96.55,39.53 L70.2
